# Allegro board TNR_REV00_150306.brd (continued)
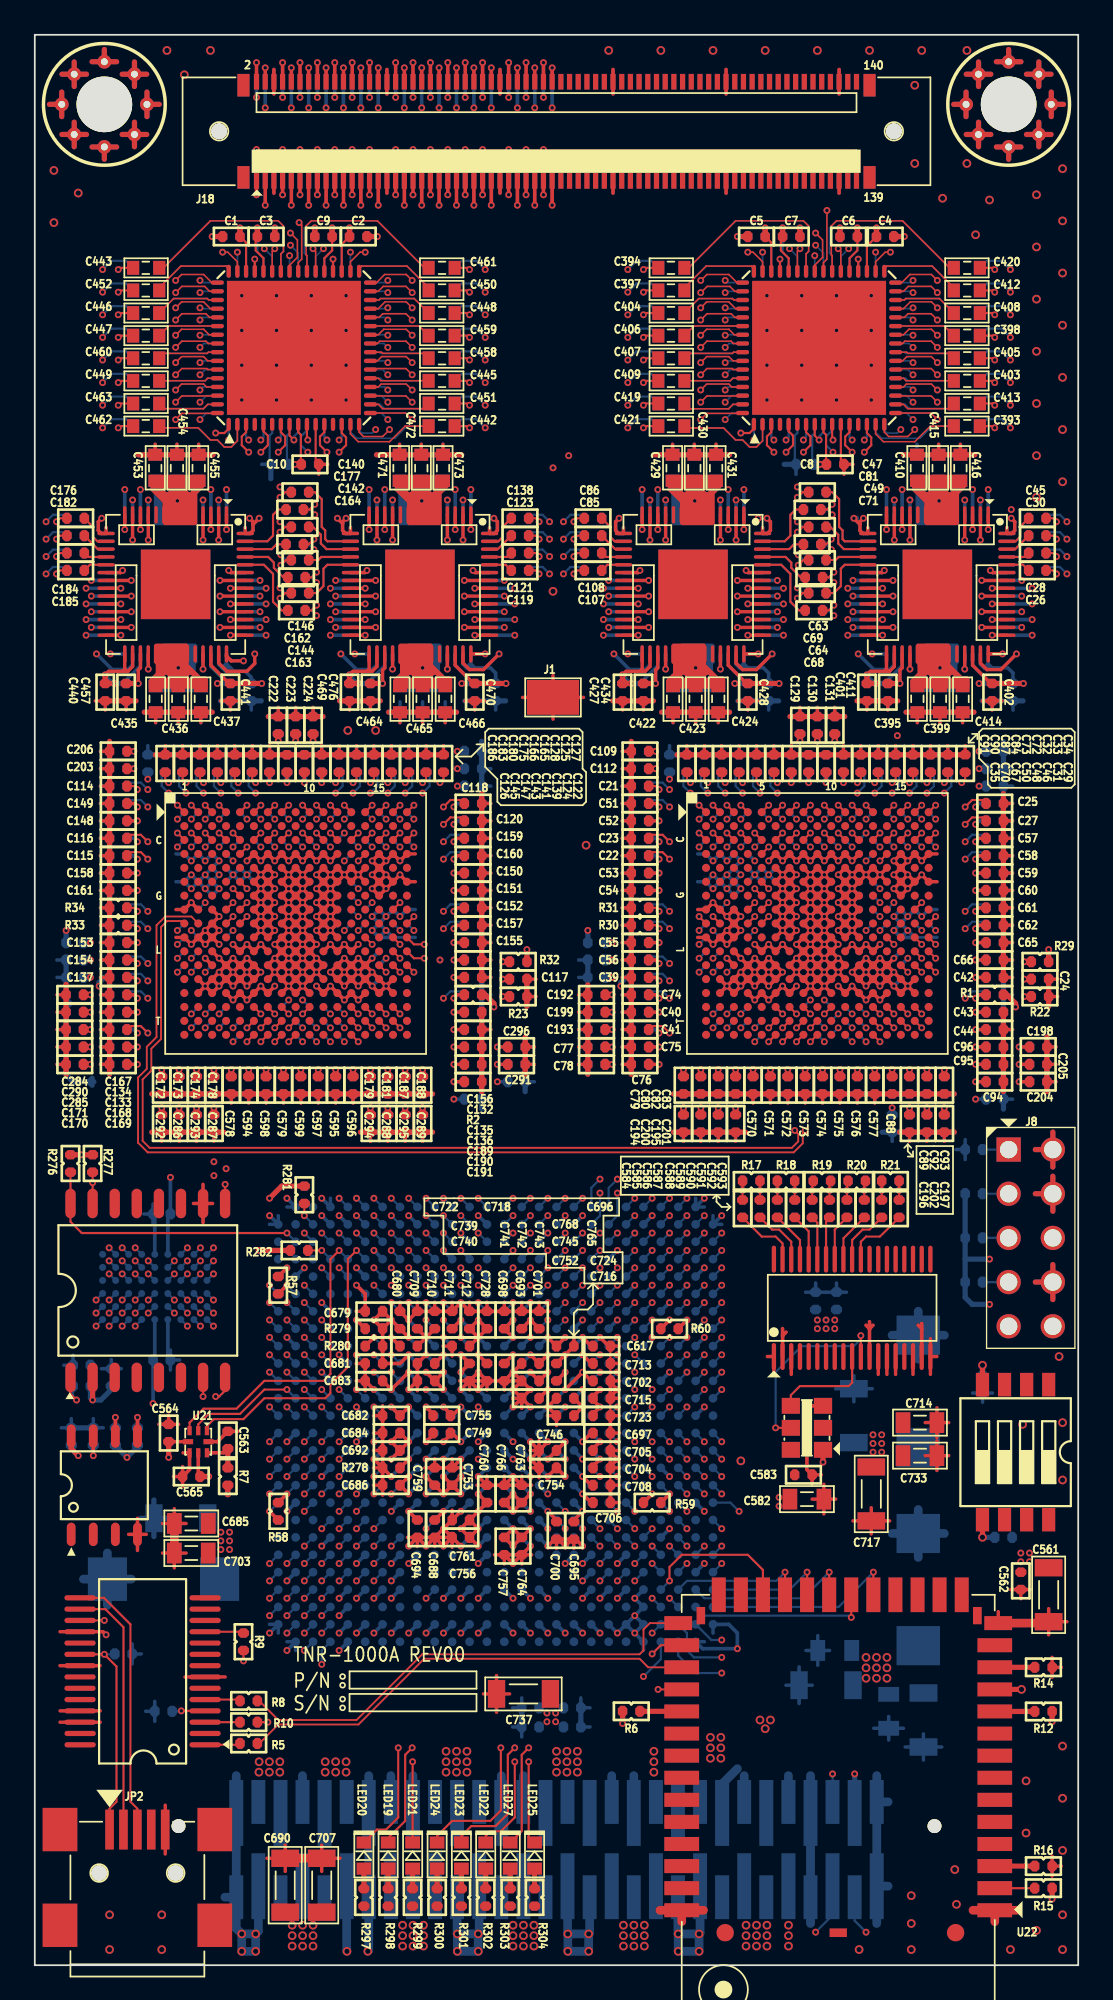
[diagram p0: board, top side]
## Routing (per net, layer and track width the routed paths; a pad name or vN(x,y) marks a point on that pad's centre or on a via; arc(x,y) is an arc through that point) (continued)
N17114758: length 10.2
  3-IN w0.095: v1(33.2,57.8) 33.7,58.3 40.8,58.3 41,58.5 U11.K14 v1(41.4,59.5)
  BOTTOM w0.125: U11.K14 v1(41.4,59.5)
  BOTTOM w0.2: C303.1 v1(33.2,57.8)
N17114759: length 11.5
  3-IN w0.095: v1(47.8,63.5) U11.D5 52.4,63.9 52.6,64.1 54.2,64.1 54.5,64.4 54.5,67.6 v1(54.3,67.8)
  BOTTOM w0.125: C300.1 v1(54.3,67.8) ; U11.D5 v1(47.8,63.5)
N17114760: length 8.2
  3-IN w0.095: v1(53.5,63.6) 52.2,62.3 50,62.3 49.8,62.1 49.8,61.7 49.6,61.5 49,61.5 v1(48.6,61.1)
  BOTTOM w0.125: C301.1 54.5,64 53.9,64 v1(53.5,63.6) ; U11.G5 v1(48.6,61.1)
N17114761: length 8.4
  9-IN w0.095: v1(53.5,64.6) 52,63.1 49.2,63.1 49,62.9 49,62.3 v1(48.6,61.9)
  BOTTOM w0.125: U11.F5 v1(48.6,61.9) ; v1(53.5,64.6) 53.9,65 54.5,65 C302.1
N17114769: length 9.7
  9-IN w0.095: v1(36.5,67.6) 37,67.1 37,65.6 37.9,64.7 38.4,64.7 38.6,64.5 38.6,64.1 38.7,64 38.7,63.99 38.8,63.9 U11.D14 v1(41.4,63.5)
  BOTTOM w0.125: v1(36.5,67.6) 36.1,68 35.5,68 C304.1
  BOTTOM w0.21: U11.D14 v1(41.4,63.5)
N17118312: length 4.2
  TOP w0.125: U8.M17 v1(21.8,57.1)
  TOP w0.2: v1(24.1,55.6) 24.3,55.8 R2.1
  3-IN w0.095: v1(24.1,55.6) 22.6,57.1 v1(21.8,57.1)
N17118330: length 9.6
  TOP w0.125: U8.K14 v1(19.4,58.7)
  TOP w0.2: C117.1 v1(26.9,56.7)
  3-IN w0.095: v1(19.4,58.7) 19.8,58.3 19.8,57.7 20,57.5 22.7,57.5 22.9,57.3 26.3,57.3 v1(26.9,56.7)
N17118331: length 10.7
  TOP w0.125: C114.1 5.7,67.8 v1(5.9,67.6) ; U8.D5 v1(12.2,64.3)
  3-IN w0.095: v1(5.9,67.6) 5.5,67.2 5.5,65.6 5.9,65.2 7.2,65.2 7.7,64.7 11.8,64.7 v1(12.2,64.3)
N17118332: length 8
  TOP w0.125: U8.G5 v1(11.4,61.9) ; v1(6.5,63.6) 6.1,64 5.5,64 C115.1
  3-IN w0.095: v1(11.4,61.9) 11,62.3 11,62.9 10.8,63.1 7,63.1 v1(6.5,63.6)
N17118333: length 9.7
  TOP w0.125: v1(6.5,64.6) 6.1,65 5.5,65 C116.1 ; U8.F5 v1(12.2,61.9)
  3-IN w0.095: v1(12.2,61.9) U8.F5 11.8,63.7 11.6,63.9 7.2,63.9 v1(6.5,64.6)
N17118341: length 9
  TOP w0.125: v1(23.5,66.6) 23.9,67 24.5,67 C118.1 ; U8.D14 v1(18.6,63.5)
  9-IN w0.095: v1(18.6,63.5) U8.D14 22.1,63.9 23.1,64.9 23.1,66.2 v1(23.5,66.6)
N17124041: length 8
  TOP w0.125: C393.1 55.1,88.5 v1(55.2,88.4)
  TOP w0.2: U13.1 v1(54.83,82.55)
  12-IN w0.095: v1(54.83,82.55) 55.55,83.28 55.55,88.05 v1(55.2,88.4)
N17124042: length 10.8
  TOP w0.125: C413.1 55.1,89.8 v1(55.2,89.7)
  TOP w0.2: U13.2 v1(54.38,81.95)
  12-IN w0.095: v1(54.38,81.95) 54.38,82.72 55.25,83.6 55.25,85.25 54.8,85.7 54.8,89.3 v1(55.2,89.7)
N17124043: length 10.7
  TOP w0.125: v1(55.2,91) 55.1,91.1 C403.1
  TOP w0.2: U13.3 v1(53.92,82.55)
  12-IN w0.095: v1(55.2,91) 54.5,90.3 54.5,85.5 54.4,85.4 54.4,84.8 53.92,84.33 v1(53.92,82.55)
N17124044: length 13.8
  TOP w0.125: v1(55.2,92.3) 55.1,92.4 C405.1
  TOP w0.2: U13.4 v1(53.48,81.95)
  12-IN w0.095: v1(53.48,81.95) 53.05,82.38 53.05,85.25 54.2,86.4 54.2,91.3 v1(55.2,92.3)
N17124045: length 16
  TOP w0.125: v1(55.2,93.6) 55.1,93.7 C398.1
  TOP w0.2: U13.11 v1(50.33,81.95)
  12-IN w0.095: v1(55.2,93.6) 54.8,93.2 54.8,92.7 53.9,91.8 53.9,86.8 51.35,84.25 51.35,82.97 v1(50.33,81.95)
N17124046: length 16.3
  TOP w0.125: v1(55.2,94.9) 55.1,95 C408.1
  TOP w0.2: U13.12 v1(49.88,82.55)
  12-IN w0.095: v1(55.2,94.9) 54.5,94.2 54.5,92.82 53.6,91.92 53.6,87.75 50.85,85 50.85,83.53 v1(49.88,82.55)
N17124047: length 19
  TOP w0.125: C412.1 55.1,96.3 v1(55.2,96.2)
  TOP w0.2: U13.13 v1(49.42,81.95)
  12-IN w0.095: v1(55.2,96.2) 54.2,95.2 54.2,92.95 53.3,92.05 53.3,88.1 50.4,85.2 50.4,84.85 49.9,84.35 49.9,83.15 49.42,82.67 v1(49.42,81.95)
N17124048: length 19.3
  TOP w0.125: C420.1 55.1,97.6 v1(55.2,97.5)
  TOP w0.2: U13.14 v1(48.98,82.55)
  12-IN w0.095: v1(55.2,97.5) 53.9,96.2 53.9,93.07 53,92.17 53,88.6 49.45,85.05 49.45,84.8 48.95,84.3 48.95,82.58 v1(48.98,82.55)
N17124170: length 8.2
  TOP w0.125: C442.1 24.9,88.5 v1(25,88.4)
  TOP w0.2: U16.1 v1(25.07,82.55)
  12-IN w0.095: v1(25.07,82.55) 25.8,83.28 25.8,85.27 25,86.07 v1(25,88.4)
N17124171: length 11.2
  TOP w0.125: v1(25,89.7) 24.9,89.8 C451.1
  TOP w0.2: U16.2 v1(24.62,81.95)
  12-IN w0.095: v1(24.62,81.95) 24.62,82.72 25.5,83.6 25.5,85.15 24.3,86.35 24.3,89 v1(25,89.7)
N17124172: length 10.8
  TOP w0.125: v1(25,91) 24.9,91.1 C445.1
  TOP w0.2: 24.18,83.4 v1(24.18,82.55)
  12-IN w0.095: v1(24.18,82.55) 24.18,84.33 23.8,84.7 23.8,85.2 24,85.4 24,90 v1(25,91)
N17124173: length 13.6
  TOP w0.125: C458.1 24.9,92.4 v1(25,92.3)
  TOP w0.2: U16.4 v1(23.73,81.95)
  12-IN w0.095: v1(25,92.3) 23.7,91 23.7,85.7 23.3,85.3 23.3,82.38 v1(23.73,81.95)
N17124174: length 15.8
  TOP w0.125: C459.1 24.9,93.7 v1(25,93.6)
  TOP w0.2: U16.11 v1(20.57,81.95)
  12-IN w0.095: v1(20.57,81.95) 21.6,82.97 21.6,84.2 23.4,86 23.4,91.5 24.6,92.7 24.6,93.2 v1(25,93.6)
N17124175: length 16.1
  TOP w0.125: C448.1 24.9,95 v1(25,94.9)
  TOP w0.2: U16.12 v1(20.12,82.55)
  12-IN w0.095: v1(25,94.9) 24.3,94.2 24.3,92.82 23.1,91.62 23.1,87.4 21.1,85.4 21.1,83.53 v1(20.12,82.55)
N17124176: length 18.8
  TOP w0.125: v1(25,96.2) 24.9,96.3 C450.1
  TOP w0.2: 19.68,83.4 v1(19.68,81.95)
  12-IN w0.095: v1(25,96.2) 24,95.2 24,92.95 22.8,91.75 22.8,87.6 20.6,85.4 20.6,84.8 20.15,84.35 20.15,83.15 19.68,82.67 v1(19.68,81.95)
N17124177: length 19.1
  TOP w0.125: C461.1 24.9,97.6 v1(25,97.5)
  TOP w0.2: U16.14 v1(19.23,82.55)
  12-IN w0.095: v1(25,97.5) 23.7,96.2 23.7,93.07 22.5,91.87 22.5,87.8 19.7,85 19.7,84.8 19.2,84.3 19.2,82.58 v1(19.23,82.55)
N17124271: length 19.1
  TOP w0.125: C394.1 35.1,97.6 v1(35,97.5)
  TOP w0.2: U14.1 v1(40.77,82.55)
  12-IN w0.095: v1(35,97.5) 37.2,95.3 37.2,87 39.9,84.3 39.9,83.8 40.77,82.92 v1(40.77,82.55)
N17124272: length 18.9
  TOP w0.125: C397.1 35.1,96.3 v1(35,96.2)
  TOP w0.2: U14.2 v1(40.33,81.95)
  12-IN w0.095: v1(40.33,81.95) 40.33,82.72 40.05,83 39.8,83 36.9,85.9 36.9,94.3 v1(35,96.2)
N17124273: length 16.7
  TOP w0.125: C404.1 35.1,95 v1(35,94.9)
  TOP w0.2: U14.3 v1(39.88,82.55)
  12-IN w0.095: v1(39.88,82.55) 38.95,82.55 36.95,84.55 36.95,85.4 36.6,85.75 36.6,93.3 v1(35,94.9)
N17124274: length 16
  TOP w0.125: C406.1 35.1,93.7 v1(35,93.6)
  TOP w0.2: 39.42,83.4 v1(39.42,81.95)
  12-IN w0.095: v1(39.42,81.95) 39.15,81.95 36.7,84.4 36.7,85.2 36.3,85.6 36.3,92.3 v1(35,93.6)
N17124275: length 13.6
  TOP w0.125: v1(35,92.3) 35.1,92.4 C407.1
  TOP w0.2: U14.11 v1(36.27,81.95)
  12-IN w0.095: v1(35,92.3) 36,91.3 36,85.5 36.3,85.2 36.3,84.8 35.9,84.4 35.9,83.5 36.27,83.12 v1(36.27,81.95)
N17124276: length 11.5
  TOP w0.125: C409.1 35.1,91.1 v1(35,91)
  TOP w0.21: U14.12 v1(35.83,82.55)
  12-IN w0.095: v1(35,91) 35.7,90.3 35.7,86.22 34.5,85.02 34.5,84.3 35.83,82.97 v1(35.83,82.55)
N17124277: length 11.2
  TOP w0.125: C419.1 35.1,89.8 v1(35,89.7)
  TOP w0.2: U14.13 v1(35.38,81.95)
  12-IN w0.095: v1(35.38,81.95) 35.38,82.92 34.2,84.1 34.2,85.15 35.4,86.35 35.4,89.3 v1(35,89.7)
N17124278: length 8.5
  TOP w0.125: v1(35,88.4) 35.1,88.5 C421.1
  TOP w0.2: 34.92,83.4 v1(34.92,82.55)
  12-IN w0.095: v1(35,88.4) 33.9,87.3 33.9,83.58 v1(34.92,82.55)
N17124353: length 19.3
  TOP w0.125: v1(4.8,97.5) 4.9,97.6 C443.1
  TOP w0.2: U15.1 v1(11.03,82.55)
  12-IN w0.095: v1(11.03,82.55) 11.03,82.78 10.1,83.7 10.1,84.35 7.3,87.15 7.3,95 v1(4.8,97.5)
N17124354: length 19.2
  TOP w0.125: C452.1 4.9,96.3 v1(4.8,96.2)
  TOP w0.2: U15.2 v1(10.57,81.95)
  12-IN w0.095: v1(10.57,81.95) 10.57,82.83 10.2,83.2 9.9,83.2 7,86.1 7,94 v1(4.8,96.2)
N17124355: length 17
  TOP w0.125: C446.1 4.9,95 v1(4.8,94.9)
  TOP w0.2: U15.3 v1(10.12,82.55)
  12-IN w0.095: v1(10.12,82.55) 8.95,82.55 7.15,84.35 7.15,85.45 6.7,85.9 6.7,93 v1(4.8,94.9)
N17124356: length 16.3
  TOP w0.125: v1(4.8,93.6) 4.9,93.7 C447.1
  TOP w0.2: 9.68,83.4 v1(9.68,81.95)
  12-IN w0.095: v1(4.8,93.6) 6.4,92 6.4,85.7 6.9,85.2 6.9,84.2 9.15,81.95 v1(9.68,81.95)
N17124357: length 13.7
  TOP w0.125: v1(4.8,92.3) 4.9,92.4 C460.1
  TOP w0.2: U15.11 v1(6.53,81.95)
  12-IN w0.095: v1(4.8,92.3) 6.1,91 6.1,85.6 6.5,85.2 6.5,84.75 6.1,84.35 6.1,83.3 6.53,82.88 v1(6.53,81.95)
N17124358: length 11.5
  TOP w0.125: v1(4.8,91) 4.9,91.1 C449.1
  TOP w0.2: 6.08,83.4 v1(6.08,82.55)
  12-IN w0.095: v1(6.08,82.55) 6.08,82.83 4.8,84.1 4.8,85.32 5.8,86.32 5.8,90 v1(4.8,91)
N17124359: length 11.3
  TOP w0.125: C463.1 4.9,89.8 v1(4.8,89.7)
  TOP w0.2: U15.13 v1(5.62,81.95)
  12-IN w0.095: v1(4.8,89.7) 5.5,89 5.5,86.45 4.5,85.45 4.5,83.9 5.62,82.78 v1(5.62,81.95)
N17124360: length 8.2
  TOP w0.125: v1(4.8,88.4) 4.9,88.5 C462.1
  TOP w0.2: U15.14 v1(5.17,82.55)
  12-IN w0.095: v1(4.8,88.4) 4.2,87.8 4.2,83.53 v1(5.17,82.55)
N17144890: length 2.3
  TOP w0.3: U22.3 R16.2
N17145047: length 2.3
  TOP w0.125: R15.2 U22.2
N17146659: length 2.4
  TOP w0.21: C563.2 10.87,29.46 U21.7
  TOP w0.3: C563.2 R7.1
N17246492: length 3.8
  TOP w0.125: U24.37 43,41.5 42.6,41.9 41.8,41.9 C584.2
N17246495: length 3.4
  TOP w0.125: C585.2 42.4,42.3 42.8,42.3 43.5,41.6 U24.36
N17246498: length 2.9
  TOP w0.125: U24.35 44,41.7 C586.2
N17246501: length 2.7
  TOP w0.125: U24.34 44.5,42.2 C587.2
N17246504: length 2.5
  TOP w0.125: C588.2 45,42.7 U24.33
N17246507: length 2.5
  TOP w0.125: C589.2 45.5,42.8 U24.32
N17246510: length 2.7
  TOP w0.125: C590.2 46,42.3 U24.31
N17246513: length 2.9
  TOP w0.125: U24.30 46.5,41.8 C591.2
N17246516: length 3.3
  TOP w0.125: U24.29 47,41.7 47.6,42.3 48,42.3 C592.2
N17246519: length 3.8
  TOP w0.125: U24.28 47.5,41.6 47.8,41.9 48.6,41.9 C593.2
N17247366: length 7.9
  TOP w0.125: U6.M16 v1(51,57.1)
  TOP w0.2: R22.1 v1(56.9,55.7)
  3-IN w0.095: v1(56.9,55.7) 55.3,55.7 54.8,55.2 52.9,55.2 v1(51,57.1)
N17249033: length 7.9
  TOP w0.125: U8.M16 v1(21,57.1)
  TOP w0.2: R23.1 v1(26.9,55.7)
  3-IN w0.095: v1(26.9,55.7) 25.3,55.7 24.8,55.2 22.9,55.2 v1(21,57.1)
N17249290: length 7.2
  3-IN w0.095: v1(3.2,56.8) 3.5,57.1 7.4,57.1 7.8,57.5 8.6,57.5 v1(9,57.1)
  BOTTOM w0.125: U10.M16 v1(9,57.1)
  BOTTOM w0.2: R24.1 v1(3.2,56.8)
N17249547: length 7.2
  3-IN w0.095: v1(39,57.1) 38.6,57.5 37.8,57.5 37.4,57.1 33.5,57.1 v1(33.2,56.8)
  BOTTOM w0.125: U11.M16 v1(39,57.1)
  BOTTOM w0.2: R25.1 v1(33.2,56.8)
N17249807: length 7.1
  3-IN w0.095: v1(39,59.5) 38.6,59.1 36.2,59.1 36.1,59.2 33.6,59.2 v1(33.2,58.8)
  BOTTOM w0.125: U11.K16 v1(39,59.5)
  BOTTOM w0.2: R26.1 v1(33.2,58.8)
N17250551: length 8
  11-IN w0.095: v1(53.5,59.6) 53.2,59.9 U11.J5 v1(47.8,59.5)
  BOTTOM w0.125: v1(53.5,59.6) 53.9,60 54.5,60 R27.1 ; U11.J5 v1(47.8,59.5)
N17250554: length 7.1
  11-IN w0.095: v1(53.5,60.6) 53.4,60.7 49,60.7 v1(48.6,60.3)
  BOTTOM w0.125: v1(53.5,60.6) 53.9,61 54.5,61 R28.1 ; U11.H5 v1(48.6,60.3)
N17250855: length 7.3
  TOP w0.125: U6.K16 v1(51,58.7)
  TOP w0.2: R29.1 v1(56.9,57.7)
  3-IN w0.095: v1(51,58.7) 51.4,58.3 56.3,58.3 v1(56.9,57.7)
N17250877: length 8.2
  TOP w0.125: v1(35.9,59.6) 35.7,59.8 R30.1 ; U6.J5 v1(42.2,60.3)
  9-IN w0.095: v1(42.2,60.3) 41.8,60.7 37.5,60.7 36.9,60.1 36.4,60.1 v1(35.9,59.6)
N17250879: length 8.1
  TOP w0.125: v1(35.9,60.6) 35.7,60.8 R31.1 ; U6.H5 v1(42.2,61.1)
  9-IN w0.095: v1(42.2,61.1) 41.8,61.5 36.8,61.5 v1(35.9,60.6)
N17251190: length 7.3
  TOP w0.125: U8.K16 v1(21,58.7)
  TOP w0.2: R32.1 v1(26.9,57.7)
  3-IN w0.095: v1(21,58.7) 21.4,58.3 26.3,58.3 v1(26.9,57.7)
N17251212: length 8.2
  TOP w0.125: R33.1 5.7,59.8 v1(5.9,59.6) ; U8.J5 v1(12.2,60.3)
  9-IN w0.095: v1(12.2,60.3) 11.8,60.7 7.5,60.7 6.9,60.1 6.4,60.1 v1(5.9,59.6)
N17251214: length 8.1
  TOP w0.125: U8.H5 v1(12.2,61.1) ; R34.1 5.7,60.8 v1(5.9,60.6)
  9-IN w0.095: v1(12.2,61.1) 11.8,61.5 6.8,61.5 v1(5.9,60.6)
N17251519: length 7.1
  3-IN w0.095: v1(3.2,58.8) 3.6,59.2 6.1,59.2 6.2,59.1 8.6,59.1 v1(9,59.5)
  BOTTOM w0.125: U10.K16 v1(9,59.5)
  BOTTOM w0.2: R35.1 v1(3.2,58.8)
N17251541: length 8
  11-IN w0.095: v1(23.5,59.6) 23.2,59.9 U10.J5 v1(17.8,59.5)
  BOTTOM w0.125: U10.J5 v1(17.8,59.5) ; R36.1 24.5,60 23.9,60 v1(23.5,59.6)
N17251543: length 7.1
  11-IN w0.095: v1(18.6,60.3) 19,60.7 23.4,60.7 v1(23.5,60.6)
  BOTTOM w0.125: v1(23.5,60.6) 23.9,61 24.5,61 R37.1 ; U10.H5 v1(18.6,60.3)
N17356355: length 1.1
  TOP w0.3: R297.1 LED20.1
N17356358: length 1.1
  TOP w0.3: R298.1 LED19.1
N17356361: length 1.1
  TOP w0.3: R299.1 LED21.1
N17356364: length 1.1
  TOP w0.3: R300.1 LED24.1
N17356367: length 1.1
  TOP w0.3: R301.1 LED23.1
N17356370: length 1.1
  TOP w0.3: R302.1 LED22.1
N17356373: length 1.1
  TOP w0.3: R303.1 LED27.1
N17357565: length 1.1
  TOP w0.3: R304.1 LED25.1
N17472746: length 1.4
  TOP w0.21: R278.2 v1(21.5,29.1)
  BOTTOM w0.125: U88.R18 v1(21.5,29.1)
N17488006: length 1.7
  TOP w0.21: J2.7 v1(3.37,29.3)
  BOTTOM w0.21: v1(3.37,29.3) R54.2
N17488719: length 5.9
  TOP w0.125: X3.4 43.48,32.77 44,33.3 46.8,33.3 47,33.5 U24.10
N17488722: length 11.2
  TOP w0.125: X3.5 v1(42.6,30.9) ; U24.11 v1(47.5,36.2)
  BOTTOM w0.125: v1(42.6,30.9) 42.6,34.1 44.1,35.6 47.1,35.6 47.5,36 v1(47.5,36.2)
N17635904: length 1.4
  TOP w0.21: R279.1 v1(18.5,37.1)
  BOTTOM w0.125: R279.1 v1(18.5,37.1)
N17635973: length 1.4
  TOP w0.21: R280.1 v1(19.5,36.1)
  BOTTOM w0.125: U88.J20 v1(19.5,36.1)
N17636542: length 1.4
  TOP w0.125: R281.1 v1(15.5,43.1)
  BOTTOM w0.125: U88.B24 v1(15.5,43.1)
N17636628: length 1.5
  TOP w0.125: R282.2 v1(16.5,41.1)
  BOTTOM w0.125: U88.D23 v1(16.5,41.1)
N17655205: length 21.9
  TOP w0.125: 2.06,33.8 2.06,32.84 v1(2.4,32.5) ; U28.9 v1(10.95,44.9)
  6-IN w0.095: v1(2.4,32.5) 2.4,40.7 6.3,44.6 10.64,44.6 v1(10.95,44.9)
  BOTTOM w0.125: v1(2.4,32.5) 2.2,32.7 R283.2
N171655668: length 0.7
  BOTTOM w0.125: U88.AC17 v1(22.5,21.1)

## Copper pours and planes (outline as drawn; the poured copper is in the pictures)
+D3.3V on TOP: 52.9,20.3 52.9,23.5 53.4,24 58.9,24 59.1,23.8 59.1,22.3 54,22.3 53.7,22 53.7,20.3
+D3.3V on TOP: 43.1,37.4 42.9,37.2 42.9,36.4 43,36.3 44.1,36.3 44.4,36 44.4,34.1 44.5,34 46.5,34 46.6,34.1 46.6,36.3 47,36.7 51,36.7 51.1,36.8 51.1,37.2 50.9,37.4 ; 4 cut-outs
+D3.3V on BOTTOM: 46.4,38 44.6,38 44.5,37.9 44.5,36.5 44.7,36.3 46.3,36.3 46.5,36.5 46.5,37.9
+D3.3V on BOTTOM: 55.9,24.9 55.9,23.6 56.5,23 57.3,23 57.5,23.2 57.5,24.2 56.7,25 56,25
+D3.3V on 6-IN: 2.9,27 2.9,17.8 10.5,10.2 33,10.2 33.4,10.6 33.4,14 33.6,14.2 34,14.2 34.2,14 34.2,10.6 34.6,10.2 53.1,10.2 57.65,14.75 57.65,16.55 56.3,17.9 56.3,26.6 49.6,33.3 47.1,33.3 44.7,35.7 44.7,37.3 44.9,37.5 46.2,37.5 46.4,37.3 46.4,35.9 47.8,34.5 50.3,34.5 57.5,27.3 57.5,18.5 58.8,17.2 58.8,13.8 54,9 9.7,9 1.7,17 1.7,29.5 2.1,29.9 9.8,29.9 10.5,29.2 10.5,27.8 10.3,27.6 3.5,27.6
GND_SIGNAL on TOP: 2.8,0.5 2.8,3.9 0.5,3.9 0.5,6.2 2.8,6.2 2.8,9.4 0.5,9.4 0.5,79.7 2.8,79.7 2.8,76.5 3.1,76.5 3.1,76.2 3.8,76.2 3.8,76.6 3.6,76.6 3.6,79.8 2.8,79.8 2.8,83.7 0.5,83.7 0.5,110.5 59.5,110.5 59.5,83.7 57.3,83.7 57.3,82.6 48.3,82.6 47.8,82.1 47.8,76.2 48,76 48,74.8 47.3,74.1 47.3,72.8 47.4,72.7 49.4,72.7 49.6,72.9 49.8,72.9 50.2,72.5 53.9,72.5 54.2,72.8 55.5,72.8 56.7,74 56.8,74 56.8,75.9 57.2,76.3 57.5,76.3 57.5,79 57.4,79 57.4,79.4 57.5,79.5 59.5,79.5 59.5,26.5 53.8,26.5 53.8,24.5 59.5,24.5 59.5,0.5 ; 103 cut-outs
GND_SIGNAL on BOTTOM: 0.5,0.5 0.5,79.6 2.75,79.6 2.75,76.6 2.95,76.6 3.35,76.2 3.35,75.5 3.45,75.4 10.85,75.4 11.2,75.75 11.2,75.3 11.1,75.3 11.1,74.6 11.9,74.6 11.9,74.7 12,74.6 12.3,74.6 12.3,75.1 12.1,75.3 12.1,76 12.2,76.1 13.3,76.1 13.5,76.3 13.3,76.5 13.5,76.5 13.5,77.2 13.1,77.2 13.1,76.6 12,76.6 11.9,76.5 11.85,76.5 11.85,82.4 11.15,83.1 4.95,83.1 4.45,82.6 4.45,82.5 2.8,80.85 2.8,83.7 0.5,83.7 0.5,110.5 59.5,110.5 59.5,83.7 57.3,83.7 57.3,83.1 59.5,83.1 59.5,80.2 57.2,80.2 57.2,79.9 56.8,79.9 56.8,76.6 57.5,76.6 57.5,79.7 59.5,79.7 59.5,0.5 ; 119 cut-outs
GND_SIGNAL on 2-GND, 13-GND: 0.5,110.5 59.5,110.5 59.5,0.5 0.5,0.5
GND_SIGNAL on 5-PWR: 0.5,0.5 0.5,110.5 59.5,110.5 59.5,48.9 58.6,48.9 58.6,48.3 58.2,48.3 58.2,47.4 59.5,47.4 59.5,41.4 59.1,41.4 59.1,40.4 58,40.4 58,35.5 59.5,35.5 59.5,0.5
GND_SIGNAL on 7-PWR: 0.5,110.5 59.5,110.5 59.5,0.5 0.5,0.5 ; 1 cut-out
GND_SIGNAL on 10-PWR: 0.5,110.5 59.5,110.5 59.5,0.5 0.5,0.5 ; 1 cut-out
+A1P8 on BOTTOM: 35.35,6.9 35.35,12.75 36,13.4 39.6,13.4 39.8,13.2 39.8,11.8 39.5,11.5 39.2,11.5 38.65,10.95 38.65,6.9
+A1P8 on 10-PWR: 35.6,9.8 35.2,10.2 35.2,12.6 36.1,13.5 50.1,13.5 52.1,15.5 52.1,47.5 49.7,49.9 49.7,57.1 49.5,57.3 37.9,57.3 37.4,56.8 37.4,53.9 36.9,53.4 23.1,53.4 22.6,53.9 22.6,56.9 22.2,57.3 10,57.3 9.6,56.9 9.6,53.5 9.5,53.4 1.6,53.4 1.4,53.6 1.4,60.8 2.2,61.6 57.9,61.6 58.7,60.8 58.7,55.3 56.2,52.8 56.2,48.6 55,47.4 55,13.5 51.3,9.8
+A1P9 on BOTTOM: 29,6.9 29,12 29.6,12.6 31.7,12.6 32.3,12 32.3,6.9
+A1P9 on 5-PWR: 5.3,66.9 5.3,57.5 5.4,57.4 8.9,57.4 9.7,58.2 23.2,58.2 23.9,57.5 25.9,57.5 26.6,58.2 33.5,58.2 34.3,57.4 36.1,57.4 36.9,58.2 51.1,58.2 51.3,58 51.3,53.8 51.1,53.6 49.8,53.6 48,51.8 48,43 49.1,41.9 49.1,23 45.9,19.8 36.5,19.8 29.6,12.9 29.6,10.8 29.8,10.6 34.8,10.6 35,10.8 35,12.5 36.1,13.6 40.6,13.6 40.7,13.7 40.7,14.6 41.2,15.1 51.7,15.1 52.3,15.7 52.3,47.7 54.5,49.9 56.2,49.9 56.6,50.3 56.6,69.3 56.5,69.4 48.7,69.4 48.6,69.3 48.6,63.7 47.8,62.9 41.3,62.9 41.1,63.1 41.1,64.9 40.4,65.6 40.4,66.9 40.3,67 18.7,67 18.6,66.9 18.6,63.8 17.7,62.9 11.3,62.9 11.1,63.1 11.1,64.9 10.4,65.6 10.4,66.9 10.3,67 5.4,67
+A3P3 on TOP: 44,30.1 44,26.1 43.9,26 42.4,26 42.3,26.1 42.3,29.9 42.5,30.1
+A3P3 on BOTTOM: 22.65,6.9 22.65,12 23.25,12.6 25.35,12.6 25.95,12 25.95,6.9
+A3P3 on 5-PWR: 11.7,63.3 11.6,63.4 11.6,65.2 10.9,65.9 10.9,67.4 10.7,67.6 5.2,67.6 4.8,67.2 4.8,43.9 3.1,42.2 3.1,25.3 11.7,16.7 30.3,16.7 34.5,20.9 41.9,20.9 42.2,21.2 42.2,26.8 44.7,29.3 45.5,29.3 45.7,29.1 45.7,28.7 42.8,25.8 42.8,20.7 42.4,20.3 36.3,20.3 32,16 25.9,16 25.4,15.5 25.4,10.9 25.2,10.7 23.3,10.7 23.1,10.9 23.1,13.6 22.1,14.6 10,14.6 0.7,23.9 0.7,72.5 0.8,72.6 11.5,72.6 12.9,74 18.7,74 19.8,72.9 26,72.9 27.1,74 34.3,74 35.4,72.9 41.6,72.9 42.7,74 48.3,74 49.4,72.9 55.3,72.9 56.4,74 57,74 57.2,73.8 57.2,72.9 56.6,72.3 56.6,70.1 56.5,70 48.4,70 48.1,69.7 48.1,63.9 47.5,63.3 41.7,63.3 41.6,63.4 41.6,65.2 40.9,65.9 40.9,67.3 40.7,67.5 18.4,67.5 18.1,67.2 18.1,63.9 17.5,63.3
+D1P2 on BOTTOM: 43,6.4 43,0.9 43.2,0.7 43.5,0.7 43.7,0.9 43.7,6.4
+D1P2 on 6-IN: 2.7,55.9 2.7,49.1 2.9,48.9 7.5,48.9 7.7,49.1 7.7,55.9 7.5,56.1 2.9,56.1
+D1P2 on 7-PWR: 43.2,0.7 43,0.9 43,4.4 50.4,11.8 50.4,45.3 47.1,48.6 5.4,48.6 5.3,48.7 5.3,58.4 5.4,58.5 55.2,58.5 57,56.7 57,50.6 54,47.6 54,8.5 51.6,6.1 50.5,6.1 45.1,0.7
+D1P2_FPGA on BOTTOM: 52.1,19.5 52.1,15.2 52,15.1 46.6,15.1 46.5,15.2 46.5,18.7 46.6,18.8 48.7,18.8 49.5,19.6 52,19.6
+D1P2_FPGA on BOTTOM: 42.45,6.4 42.45,0.95 42.2,0.7 39.75,0.7 39.15,1.3 39.15,6.4
+D1P2_FPGA on 7-PWR: 30.6,35.4 22.4,35.4 22.2,35.2 22.2,34 22.4,33.8 22.8,33.8 23.2,33.4 23.2,32.8 22.8,32.4 22.4,32.4 22.2,32.2 22.2,30 22.4,29.8 22.9,29.8 23.2,29.5 23.2,28.7 22.9,28.4 22.4,28.4 22.2,28.2 22.2,27.6 22.4,27.4 22.8,27.4 23.4,26.8 23.9,26.8 24.2,26.5 24.2,25.4 24,25.2 24,17.8 26.6,15.2 43.8,15.2 44.3,14.7 44.3,12 39.4,7.1 39.4,0.9 39.6,0.7 42.3,0.7 42.5,0.9 42.5,4.7 49.9,12.1 49.9,21.7 49.8,21.8 30.7,21.8 29.3,23.2 29.3,25.2 28.9,25.6 28.9,26.5 29.2,26.8 29.7,26.8 30.8,27.9 30.8,28.3 30.7,28.4 30.1,28.4 29.8,28.7 29.8,29.5 30.1,29.8 30.7,29.8 30.8,29.9 30.8,32.3 30.7,32.4 30.1,32.4 29.8,32.7 29.8,33.5 30.1,33.8 30.6,33.8 30.8,34 30.8,35.2
+D1P8 on BOTTOM: 36.1,6.4 36.1,1.3 35.5,0.7 33.4,0.7 32.8,1.3 32.8,6.4
+D1P8 on 10-PWR: 33.5,0.7 33.3,0.9 33.3,6.9 32.2,8 32.2,16 33.8,17.6 45.6,17.6 49.5,21.5 49.5,41.1 43.7,46.9 12.2,46.9 11.6,46.3 11.6,32.8 10.8,32 6.6,32 6.4,32.2 6.4,32.5 6.6,32.7 8.2,32.7 9.1,33.6 10.8,33.6 11,33.8 11,43.7 10.6,44.1 8.4,44.1 7.5,45 7.5,45.5 10.1,48.1 10.1,56.7 10.2,56.8 21.9,56.8 22.1,56.6 22.1,53.7 22.9,52.9 37.1,52.9 37.9,53.7 37.9,56.6 38.1,56.8 49,56.8 49.2,56.6 49.2,49.6 51.6,47.2 51.6,15.8 49.8,14 35.8,14 34.6,12.8 34.6,9.9 35.6,8.9 35.6,0.9 35.4,0.7
+D1P8_FPGA on TOP: 47.3,28.1 50.3,28.1 50.4,28.2 50.4,31.8 50.3,31.9 49.1,31.9 47.3,30.1
+D1P8_FPGA on TOP: 30.1,13.7 29.3,13.7 29.1,13.9 29.1,16.4 30.2,16.4 30.3,16.3 30.3,13.9
+D1P8_FPGA on BOTTOM: 28.9,15.2 30.5,15.2 30.7,15 30.7,13.5 30.5,13.3 28.9,13.3 28.7,13.5 28.7,15
+D1P8_FPGA on BOTTOM: 29.75,6.4 29.75,1.3 29.15,0.7 27.05,0.7 26.45,1.3 26.45,6.4
+D1P8_FPGA on BOTTOM: 47,28.1 51.9,28.1 52.1,28.3 52.1,30.9 52,31 46.4,31 46.2,30.8 46.2,28.9
+D1P8_FPGA on 10-PWR: 49,37.9 21.9,37.9 21.8,37.8 21.8,30.5 21.9,30.4 45.2,30.4 45.7,29.9 45.7,24.7 42.9,21.9 26.4,21.9 25.9,21.4 25.9,6.7 27,5.6 27,0.9 27.2,0.7 29.1,0.7 29.3,0.9 29.3,5.6 31.7,8 31.7,16.3 33.5,18.1 45.2,18.1 49,21.9
+D3P3 on TOP: 18.6,3.7 29,3.7 29.1,3.6 29.1,3 29,2.9 23.7,2.9 22.8,2 22.8,1 22.6,0.8 21,0.8 20.8,1 20.8,2 19.9,2.9 18.7,2.9 18.5,3.1 18.5,3.6
+D3P3 on BOTTOM: 23.4,6.4 23.4,1.3 22.8,0.7 20.7,0.7 20.1,1.3 20.1,6.4
+D3P3 on 10-PWR: 12.7,40.3 13.3,40.9 13.3,41.3 13.1,41.5 12.7,41.5 12.1,40.9 12.1,32.1 10.7,30.7 4.5,30.7 4.3,30.9 4.3,32.5 3.2,33.6 3.2,46.8 3,47 2,47 1.8,46.8 1.8,16.6 13.9,4.5 18.9,4.5 20.6,2.8 20.6,0.9 20.8,0.7 22.6,0.7 22.8,0.9 22.8,3.9 20.4,6.3 14.7,6.3 3.7,17.3 3.7,27.7 4.1,28.1 4.1,29.7 4.5,30.1 11.1,30.1 12.7,31.7
+D3P3_FPGA on TOP: 9.5,26 11.3,26 11.7,25.6 11.7,23.5 11.3,23.1 9.5,23.1
+D3P3_FPGA on TOP: 16.45,0.7 14.35,0.7 13.5,1.55 13.5,3.6 17.4,3.6 17.4,1.65
+D3P3_FPGA on BOTTOM: 17.05,6.4 17.05,1.3 16.45,0.7 14.35,0.7 13.75,1.3 13.75,6.4
+D3P3_FPGA on BOTTOM: 9.4,26.5 9.4,21 9.5,20.9 11.7,20.9 11.8,21 11.8,25.8 11.1,26.5
+D3P3_FPGA on 5-PWR: 58.6,43.3 54.8,43.3 54.7,43.2 54.7,14.2 53.2,12.7 43.4,12.7 43.3,12.6 43.3,7 42.8,6.5 16.2,6.5 14.5,4.8 14.5,0.9 14.6,0.8 16.2,0.8 16.3,0.9 16.3,5.2 16.9,5.8 43.1,5.8 44,6.7 44,11.7 44.3,12 53.7,12 55.6,13.9 55.6,33.6 57.7,35.7 57.7,40.4 58,40.7 58.6,40.7 58.8,40.9 58.8,43.1
+D3P3_FPGA on 7-PWR: 23.3,26.4 23.5,26.4 23.7,26.2 23.7,25.4 23.6,25.3 16.4,25.3 16.2,25.1 16.3,25 16.3,18.6 19.5,15.4 19.5,2.9 17.3,0.7 14,0.7 13.8,0.9 13.8,8.9 14.9,10 14.9,12.8 13.4,14.3 11.7,14.3 9,17 9,30.8 12.2,34 12.2,43.7 13,44.5 14,44.5 14.2,44.3 14.2,40.1 14.4,39.9 34.1,39.9 34.3,39.7 34.3,25.5 34.1,25.3 29.9,25.3 29.3,25.9 29.3,26.2 29.4,26.3 30,26.3 31.3,27.6 31.3,28.5 31,28.8 30.5,28.8 30.3,29 30.3,29.2 30.4,29.3 30.9,29.3 31.3,29.7 31.3,32.5 31,32.8 30.5,32.8 30.3,33 30.3,33.2 30.4,33.3 30.9,33.3 31.3,33.7 31.3,35.5 30.9,35.9 22.2,35.9 21.7,35.4 21.7,33.8 22.2,33.3 22.6,33.3 22.7,33.2 22.7,33 22.6,32.9 22.2,32.9 21.7,32.4 21.7,29.8 22.2,29.3 22.6,29.3 22.7,29.2 22.7,29 22.6,28.9 22.2,28.9 21.7,28.4 21.7,27.4 22.3,26.8 22.9,26.8
-A3P3 on BOTTOM: 41.7,6.9 41.7,13.2 41.4,13.5 41.4,14.3 41.6,14.5 42.4,14.5 42.6,14.3 42.6,13.5 42.4,13.3 42.4,6.9
-A3P3 on 5-PWR: 41.5,13.2 41.3,13.4 41.3,14.3 41.5,14.5 52.1,14.5 52.9,15.3 52.9,47.4 54.8,49.3 56.5,49.3 57.2,50 57.2,72 57.7,72.5 57.7,74 57.2,74.5 56.2,74.5 55.1,73.4 49.7,73.4 48.5,74.6 42.5,74.6 41.3,73.4 35.6,73.4 34.4,74.6 26.8,74.6 25.6,73.4 19.9,73.4 18.7,74.6 12.6,74.6 11.1,73.1 5.8,73.1 5.5,73.4 5.5,74.9 6.7,76.1 58.9,76.1 59.1,75.9 59.1,49.5 57.6,48 55.6,48 54.2,46.6 54.2,14.5 52.9,13.2
HVN_VAR on TOP (solid shape): 9.75,85 9.35,84.6 9.35,82.9 9.25,82.8 7.45,82.8 7.35,82.9 7.35,84.1 6.65,84.8 6.65,85.7 9.75,85.7
HVN_VAR on TOP (solid shape): 23.8,85 23.4,84.6 23.4,82.9 23.3,82.8 21.5,82.8 21.4,82.9 21.4,84.1 20.7,84.8 20.7,85.7 23.8,85.7
HVN_VAR on TOP (solid shape): 39.5,85 39.1,84.6 39.1,82.9 39,82.8 37.2,82.8 37.1,82.9 37.1,84.1 36.4,84.8 36.4,85.7 39.5,85.7
HVN_VAR on TOP (solid shape): 53.55,85 53.15,84.6 53.15,82.9 53.05,82.8 51.25,82.8 51.15,82.9 51.15,84.1 50.45,84.8 50.45,85.7 53.55,85.7
HVN_VAR on BOTTOM (solid shape): 9.75,85 8.85,84.1 8.85,82.9 8.75,82.8 6.95,82.8 6.85,82.9 6.85,84.6 6.65,84.8 6.65,85.7 9.75,85.7
HVN_VAR on BOTTOM (solid shape): 23.8,85 22.9,84.1 22.9,82.9 22.8,82.8 21,82.8 20.9,82.9 20.9,84.6 20.7,84.8 20.7,85.7 23.8,85.7
HVN_VAR on BOTTOM (solid shape): 39.5,85 38.6,84.1 38.6,82.9 38.5,82.8 36.7,82.8 36.6,82.9 36.6,84.6 36.4,84.8 36.4,85.7 39.5,85.7
HVN_VAR on BOTTOM (solid shape): 53.55,85 52.65,84.1 52.65,82.9 52.55,82.8 50.75,82.8 50.65,82.9 50.65,84.6 50.45,84.8 50.45,85.7 53.55,85.7
HVN_VAR on BOTTOM: 16.3,6.9 16.3,11.8 16.5,12 18.1,12 18.3,11.8 18.3,7 18.2,6.9
HVN_VAR on 2-GND: 5.1,83.6 4.6,84.1 3.4,84.1 3,83.7 3,70.2 2.7,69.9 2.7,11.5 3.5,10.7 14.5,10.7 14.7,10.9 14.7,11.9 14.8,12 18.2,12 18.4,11.8 18.4,9.5 17.7,8.8 0.9,8.8 0.5,9.2 0.5,98.1 0.6,98.2 9.7,98.2 10.7,97.2 13.3,97.2 13.6,97.5 13.6,98.3 12.5,99.4 12.5,100.1 12.6,100.2 13,100.2 13.1,100.1 13.1,99.6 13.4,99.3 16.5,99.3 16.8,99.6 16.8,100.1 16.9,100.2 17.3,100.2 17.4,100.1 17.4,99.4 16.3,98.3 16.3,97.5 16.6,97.2 19.1,97.2 20.1,98.2 39.9,98.2 40.9,97.2 43.5,97.2 43.8,97.5 43.8,98.3 42.7,99.4 42.7,100.1 42.8,100.2 43.2,100.2 43.3,100.1 43.3,99.6 43.6,99.3 46.7,99.3 47,99.6 47,100.1 47.1,100.2 47.5,100.2 47.6,100.1 47.6,99.4 46.5,98.3 46.5,97.5 46.8,97.2 49.3,97.2 50.3,98.2 56.4,98.2 56.7,97.9 56.7,85.5 54.8,83.6 48.9,83.6 48.5,84 41.2,84 40.8,83.6 34.8,83.6 34.4,84 25.7,84 25.3,83.6 19.2,83.6 18.8,84 11.4,84 11,83.6
HVN_VAR on 5-PWR, 7-PWR, 10-PWR: 5.1,83.6 3.3,85.4 3.3,97.9 3.6,98.2 9.7,98.2 10.7,97.2 13.3,97.2 13.6,97.5 13.6,98.3 12.5,99.4 12.5,100.1 12.6,100.2 13,100.2 13.1,100.1 13.1,99.6 13.4,99.3 16.5,99.3 16.8,99.6 16.8,100.1 16.9,100.2 17.3,100.2 17.4,100.1 17.4,99.4 16.3,98.3 16.3,97.5 16.6,97.2 19.1,97.2 20.1,98.2 39.9,98.2 40.9,97.2 43.5,97.2 43.8,97.5 43.8,98.3 42.7,99.4 42.7,100.1 42.8,100.2 43.2,100.2 43.3,100.1 43.3,99.6 43.6,99.3 46.7,99.3 47,99.6 47,100.1 47.1,100.2 47.5,100.2 47.6,100.1 47.6,99.4 46.5,98.3 46.5,97.5 46.8,97.2 49.3,97.2 50.3,98.2 56.4,98.2 56.7,97.9 56.7,85.5 54.8,83.6 48.9,83.6 48.5,84 41.2,84 40.8,83.6 34.8,83.6 34.4,84 25.7,84 25.3,83.6 19.2,83.6 18.8,84 11.4,84 11,83.6
HVP_VAR on TOP (solid shape): 8.85,75.9 8.85,74.8 9.55,74.1 9.85,74.1 9.95,74 9.95,73.4 6.55,73.4 6.55,73.9 6.95,74.3 6.95,74.8 6.85,74.9 6.85,75.9 6.95,76 8.75,76
HVP_VAR on TOP (solid shape): 22.9,75.9 22.9,74.8 23.6,74.1 23.9,74.1 24,74 24,73.4 20.6,73.4 20.6,73.9 21,74.3 21,74.8 20.9,74.9 20.9,75.9 21,76 22.8,76
HVP_VAR on TOP (solid shape): 38.6,75.9 38.6,74.8 39.3,74.1 39.6,74.1 39.7,74 39.7,73.4 36.3,73.4 36.3,73.9 36.7,74.3 36.7,74.8 36.6,74.9 36.6,75.9 36.7,76 38.5,76
